# KiCad board carrier.kicad_pcb (continued)
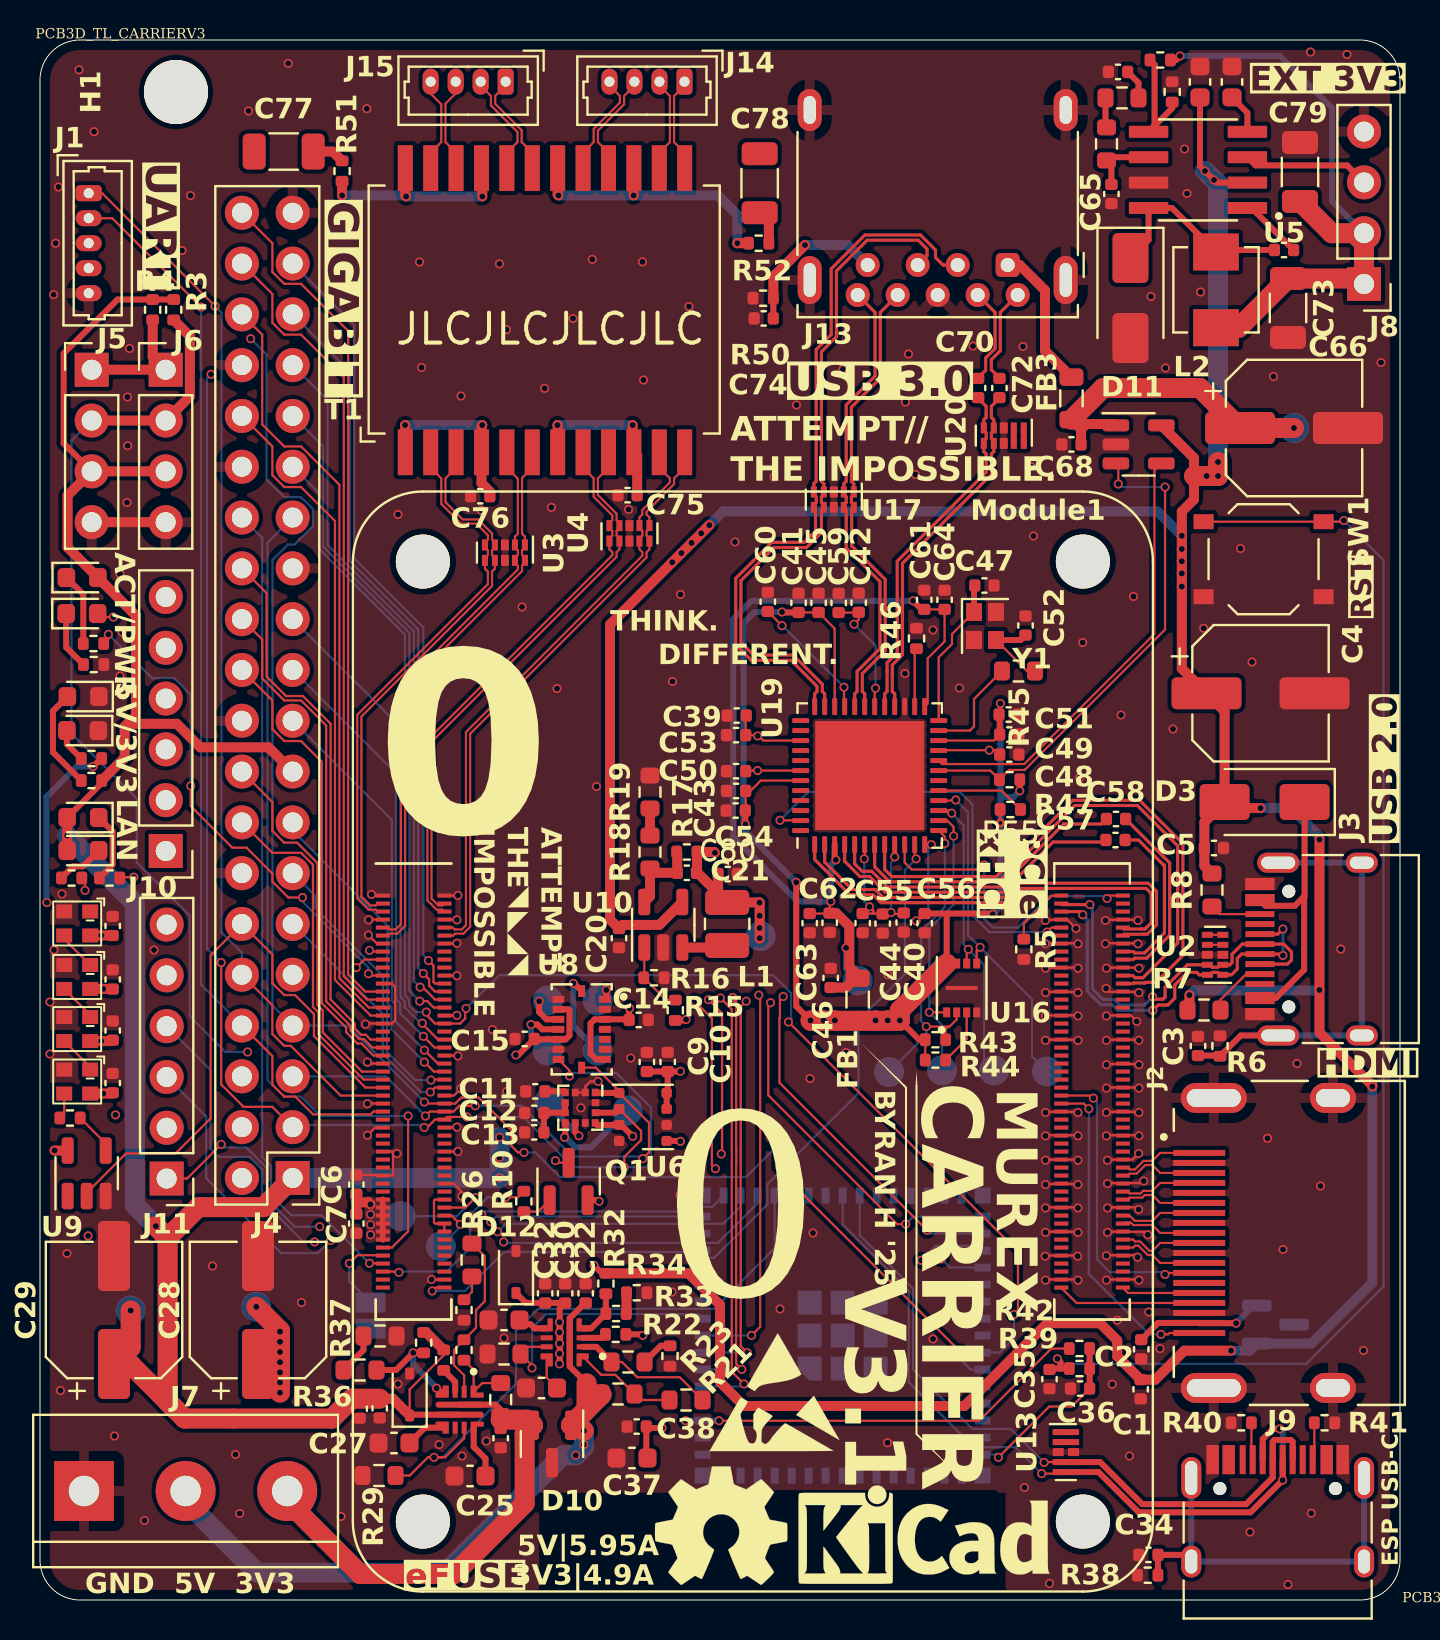
[diagram p0: board, top side]
## Footprints (pads in the part's own frame, mm; a bottom-side part is the same pattern mirrored in y, then rotated) (continued)
EDAC 690-019-298-412
  rect 0.3x2.6 smd: 1(4.5,0.73) 2(4,0.73) 3(3.5,0.73) 4(3,0.73) 5(2.5,0.73) 6(2,0.73) 7(1.5,0.73) 8(1,0.73) 9(0.5,0.73) 10(0,0.73) 11(-0.5,0.73) 12(-1,0.73) 13(-1.5,0.73) 14(-2,0.73) 15(-2.5,0.73) 16(-3,0.73) 17(-3.5,0.73) 18(-4,0.73) 19(-4.5,0.73)
  oval 1.5x3.3 hole 0.9x2.7: SH1(7.25,0) SH2(-7.25,0)
  oval 1.5x2.3 hole 0.9x1.7: SH3(-7.25,-5.96) SH4(7.25,-5.96)
ESP32-S3-MINI-1
  rect 0.8x0.4 smd: 1(-7,5.95) 2(-7,5.1) 3(-7,4.25) 4(-7,3.4) 5(-7,2.55) 6(-7,1.7) 7(-7,0.85) 8(-7,0) 9(-7,-0.85) 10(-7,-1.7) 11(-7,-2.55) 12(-7,-3.4) 13(-7,-4.25) 14(-7,-5.1) 15(-7,-5.95) 31(7,-5.95) 32(7,-5.1) 33(7,-4.25) 34(7,-3.4) 35(7,-2.55) 36(7,-1.7) 37(7,-0.85) 38(7,0) 39(7,0.85) 40(7,1.7) 41(7,2.55) 42(7,3.4) 43(7,4.25) 44(7,5.1) 45(7,5.95)
  rect 0.4x0.8 smd: 16(-5.95,-7) 17(-5.1,-7) 18(-4.25,-7) 19(-3.4,-7) 20(-2.55,-7) 21(-1.7,-7) 22(-0.85,-7) 23(0,-7) 24(0.85,-7) 25(1.7,-7) 26(2.55,-7) 27(3.4,-7) 28(4.25,-7) 29(5.1,-7) 30(5.95,-7) 46(5.95,7) 47(5.1,7) 48(4.25,7) 49(3.4,7) 50(2.55,7) 51(1.7,7) 52(0.85,7) 53(0,7) 54(-0.85,7) 55(-1.7,7) 56(-2.55,7) 57(-3.4,7) 58(-4.25,7) 59(-5.1,7) 60(-5.95,7)
  rect 1.2x1.2 smd: 61(0,0) 61_2(0,1.65) 61_3(1.65,1.65) 61_4(1.65,0) 61_5(1.65,-1.65) 61_6(0,-1.65) 61_7(-1.65,-1.65) 61_8(-1.65,0)
  custom 1.21x1.21 smd: 61_1(-1.65,1.65)
  rect 0.8x0.8 smd: 62(-7,7) 63(-7,-7) 64(7,-7) 65(7,7)
L_0805_2012Metric
  rrect 0.875x1.2 smd: 1(-1.062,0) 2(1.062,0)
L_1008_2520Metric
  rrect 1.25x2.2 smd: 1(-1.075,0) 2(1.075,0)
L_Vishay_IHLP-1616
  rect 1.855x2.286 smd: 1(-1.892,0) 2(1.892,0)
LED_0603_1608Metric
  rrect 0.875x0.95 smd: 1(-0.787,0) 2(0.787,0)
LGA-12_2x2mm_P0.5mm
  rect 0.375x0.35 smd: 1(-0.762,0.75) 2(-0.762,0.25) 3(-0.762,-0.25) 4(-0.762,-0.75) 7(0.762,-0.75) 8(0.762,-0.25) 9(0.762,0.25) 10(0.762,0.75)
  rect 0.35x0.375 smd: 5(-0.25,-0.762) 6(0.25,-0.762) 11(0.25,0.762) 12(-0.25,0.762)
Molex_PicoBlade_53047-0410_1x04_P1.25mm_Vertical
  rrect 0.8x1.3 hole 0.5: 1(0,0)
  oval 0.8x1.3 hole 0.5: 2(1.25,0) 3(2.5,0) 4(3.75,0)
Molex_PicoBlade_53047-0510_1x05_P1.25mm_Vertical
  rrect 0.8x1.3 hole 0.5: 1(0,0)
  oval 0.8x1.3 hole 0.5: 2(1.25,0) 3(2.5,0) 4(3.75,0) 5(5,0)
MountingHole_3.2mm_M3
  round 3.2 hole 3.2 unplated: (0,0)
PinHeader_1x04_P2.54mm_Vertical
  rect 1.7x1.7 hole 1: 1(0,0)
  oval 1.7x1.7 hole 1: 2(0,-2.54) 3(0,-5.08) 4(0,-7.62)
PinHeader_1x06_P2.54mm_Vertical
  rect 1.7x1.7 hole 1: 1(0,0)
  oval 1.7x1.7 hole 1: 2(0,-2.54) 3(0,-5.08) 4(0,-7.62) 5(0,-10.16) 6(0,-12.7)
PinHeader_2x20_P2.54mm_Vertical
  rect 1.7x1.7 hole 1: 1(0,0)
  oval 1.7x1.7 hole 1: 2(2.54,0) 3(0,-2.54) 4(2.54,-2.54) 5(0,-5.08) 6(2.54,-5.08) 7(0,-7.62) 8(2.54,-7.62) 9(0,-10.16) 10(2.54,-10.16) 11(0,-12.7) 12(2.54,-12.7) 13(0,-15.24) 14(2.54,-15.24) 15(0,-17.78) 16(2.54,-17.78) 17(0,-20.32) 18(2.54,-20.32) 19(0,-22.86) 20(2.54,-22.86) 21(0,-25.4) 22(2.54,-25.4) 23(0,-27.94) 24(2.54,-27.94) 25(0,-30.48) 26(2.54,-30.48) 27(0,-33.02) 28(2.54,-33.02) 29(0,-35.56) 30(2.54,-35.56) 31(0,-38.1) 32(2.54,-38.1) 33(0,-40.64) 34(2.54,-40.64) 35(0,-43.18) 36(2.54,-43.18) 37(0,-45.72) 38(2.54,-45.72) 39(0,-48.26) 40(2.54,-48.26)
PQFN50P450X300X100-16N
  rect 0.35x0.59 smd: 1(-1.5,1.165) 2(-1,1.165) 3(-0.5,1.165) 4(0,1.165) 5(0.5,1.165) 6(1,1.165) 7(1.5,1.165) 9(1.5,-1.165) 10(1,-1.165) 11(0.5,-1.165) 12(0,-1.165) 13(-0.5,-1.165) 14(-1,-1.165) 15(-1.5,-1.165)
  rect 0.59x0.35 smd: 8(1.915,0) 16(-1.915,0)
QFN-48-1EP_7x7mm_P0.5mm_EP5.45x5.45mm
  rrect 1.1x1.1 smd: (-2.04,2.04) (-2.04,0.68) (-2.04,-0.68) (-2.04,-2.04) (-0.68,2.04) (-0.68,0.68) (-0.68,-0.68) (-0.68,-2.04) (0.68,2.04) (0.68,0.68) (0.68,-0.68) (0.68,-2.04) (2.04,2.04) (2.04,0.68) (2.04,-0.68) (2.04,-2.04)
  rrect 0.85x0.25 smd: 1(-3.45,2.75) 2(-3.45,2.25) 3(-3.45,1.75) 4(-3.45,1.25) 5(-3.45,0.75) 6(-3.45,0.25) 7(-3.45,-0.25) 8(-3.45,-0.75) 9(-3.45,-1.25) 10(-3.45,-1.75) 11(-3.45,-2.25) 12(-3.45,-2.75) 25(3.45,-2.75) 26(3.45,-2.25) 27(3.45,-1.75) 28(3.45,-1.25) 29(3.45,-0.75) 30(3.45,-0.25) 31(3.45,0.25) 32(3.45,0.75) 33(3.45,1.25) 34(3.45,1.75) 35(3.45,2.25) 36(3.45,2.75)
  rrect 0.25x0.85 smd: 13(-2.75,-3.45) 14(-2.25,-3.45) 15(-1.75,-3.45) 16(-1.25,-3.45) 17(-0.75,-3.45) 18(-0.25,-3.45) 19(0.25,-3.45) 20(0.75,-3.45) 21(1.25,-3.45) 22(1.75,-3.45) 23(2.25,-3.45) 24(2.75,-3.45) 37(2.75,3.45) 38(2.25,3.45) 39(1.75,3.45) 40(1.25,3.45) 41(0.75,3.45) 42(0.25,3.45) 43(-0.25,3.45) 44(-0.75,3.45) 45(-1.25,3.45) 46(-1.75,3.45) 47(-2.25,3.45) 48(-2.75,3.45)
  rect 5.45x5.45 smd: 49(0,0)
QT24A23
  rect 2.29x0.75 smd: 1(-7.138,6.97) 2(-7.138,5.7) 3(-7.138,4.43) 4(-7.138,3.16) 5(-7.138,1.89) 6(-7.138,0.62) 7(-7.138,-0.65) 8(-7.138,-1.92) 9(-7.138,-3.19) 10(-7.138,-4.46) 11(-7.138,-5.73) 12(-7.138,-7) 13(7.072,-7) 14(7.072,-5.73) 15(7.072,-4.46) 16(7.072,-3.19) 17(7.072,-1.92) 18(7.072,-0.65) 19(7.072,0.62) 20(7.072,1.89) 21(7.072,3.16) 22(7.072,4.43) 23(7.072,5.7) 24(7.072,6.97)
R_0402_1005Metric
  rrect 0.54x0.64 smd: 1(-0.51,0) 2(0.51,0)
R_0603_1608Metric
  rrect 0.8x0.95 smd: 1(-0.825,0) 2(0.825,0)
Raspberry-Pi-4-Compute-Module
  round 2.7 hole 2.7 unplated: (0,48) (0,0) (33,48) (33,0)
  rect 0.7x0.2 smd: 1(-2,31.3) 2(1.08,31.3) 3(-2,30.9) 4(1.08,30.9) 5(-2,30.5) 6(1.08,30.5) 7(-2,30.1) 8(1.08,30.1) 9(-2,29.7) 10(1.08,29.7) 11(-2,29.3) 12(1.08,29.3) 13(-2,28.9) 14(1.08,28.9) 15(-2,28.5) 16(1.08,28.5) 17(-2,28.1) 18(1.08,28.1) 19(-2,27.7) 20(1.08,27.7) 21(-2,27.3) 22(1.08,27.3) 23(-2,26.9) 24(1.08,26.9) 25(-2,26.5) 26(1.08,26.5) 27(-2,26.1) 28(1.08,26.1) 29(-2,25.7) 30(1.08,25.7) 31(-2,25.3) 32(1.08,25.3) 33(-2,24.9) 34(1.08,24.9) 35(-2,24.5) 36(1.08,24.5) 37(-2,24.1) 38(1.08,24.1) 39(-2,23.7) 40(1.08,23.7) 41(-2,23.3) 42(1.08,23.3) 43(-2,22.9) 44(1.08,22.9) 45(-2,22.5) 46(1.08,22.5) 47(-2,22.1) 48(1.08,22.1) 49(-2,21.7) 50(1.08,21.7) 51(-2,21.3) 52(1.08,21.3) 53(-2,20.9) 54(1.08,20.9) 55(-2,20.5) 56(1.08,20.5) 57(-2,20.1) 58(1.08,20.1) 59(-2,19.7) 60(1.08,19.7) 61(-2,19.3) 62(1.08,19.3) 63(-2,18.9) 64(1.08,18.9) 65(-2,18.5) 66(1.08,18.5) 67(-2,18.1) 68(1.08,18.1) 69(-2,17.7) 70(1.08,17.7) 71(-2,17.3) 72(1.08,17.3) 73(-2,16.9) 74(1.08,16.9) 75(-2,16.5) 76(1.08,16.5) 77(-2,16.1) 78(1.08,16.1) 79(-2,15.7) 80(1.08,15.7) 81(-2,15.3) 82(1.08,15.3) 83(-2,14.9) 84(1.08,14.9) 85(-2,14.5) 86(1.08,14.5) 87(-2,14.1) 88(1.08,14.1) 89(-2,13.7) 90(1.08,13.7) 91(-2,13.3) 92(1.08,13.3) 93(-2,12.9) 94(1.08,12.9) 95(-2,12.5) 96(1.08,12.5) 97(-2,12.1) 98(1.08,12.1) 99(-2,11.7) 100(1.08,11.7) 101(31.92,31.3) 102(35,31.3) 103(31.92,30.9) 104(35,30.9) 105(31.92,30.5) 106(35,30.5) 107(31.92,30.1) 108(35,30.1) 109(31.92,29.7) 110(35,29.7) 111(31.92,29.3) 112(35,29.3) 113(31.92,28.9) 114(35,28.9) 115(31.92,28.5) 116(35,28.5) 117(31.92,28.1) 118(35,28.1) 119(31.92,27.7) 120(35,27.7) 121(31.92,27.3) 122(35,27.3) 123(31.92,26.9) 124(35,26.9) 125(31.92,26.5) 126(35,26.5) 127(31.92,26.1) 128(35,26.1) 129(31.92,25.7) 130(35,25.7) 131(31.92,25.3) 132(35,25.3) 133(31.92,24.9) 134(35,24.9) 135(31.92,24.5) 136(35,24.5) 137(31.92,24.1) 138(35,24.1) 139(31.92,23.7) 140(35,23.7) 141(31.92,23.3) 142(35,23.3) 143(31.92,22.9) 144(35,22.9) 145(31.92,22.5) 146(35,22.5) 147(31.92,22.1) 148(35,22.1) 149(31.92,21.7) 150(35,21.7) 151(31.92,21.3) 152(35,21.3) 153(31.92,20.9) 154(35,20.9) 155(31.92,20.5) 156(35,20.5) 157(31.92,20.1) 158(35,20.1) 159(31.92,19.7) 160(35,19.7) 161(31.92,19.3) 162(35,19.3) 163(31.92,18.9) 164(35,18.9) 165(31.92,18.5) 166(35,18.5) 167(31.92,18.1) 168(35,18.1) 169(31.92,17.7) 170(35,17.7) 171(31.92,17.3) 172(35,17.3) 173(31.92,16.9) 174(35,16.9) 175(31.92,16.5) 176(35,16.5) 177(31.92,16.1) 178(35,16.1) 179(31.92,15.7) 180(35,15.7) 181(31.92,15.3) 182(35,15.3) 183(31.92,14.9) 184(35,14.9) 185(31.92,14.5) 186(35,14.5) 187(31.92,14.1) 188(35,14.1) 189(31.92,13.7) 190(35,13.7) 191(31.92,13.3) 192(35,13.3) 193(31.92,12.9) 194(35,12.9) 195(31.92,12.5) 196(35,12.5) 197(31.92,12.1) 198(35,12.1) 199(31.92,11.7) 200(35,11.7)
SK6812-EC20
  rect 0.8x0.7 smd: 1(0.65,-0.6) 2(0.65,0.6) 3(-0.65,0.6) 4(-0.65,-0.6)
SOIC127P599X175-8N
  rrect 1.97x0.6 smd: 1(-2.47,1.905) 2(-2.47,0.635) 3(-2.47,-0.635) 4(-2.47,-1.905) 5(2.47,-1.905) 6(2.47,-0.635) 7(2.47,0.635) 8(2.47,1.905)
SolderJumper-2_P1.3mm_Open_Pad1.0x1.5mm
  rect 1x1.5 smd: 1(-0.65,0) 2(0.65,0)
SOT-23
  rrect 1.475x0.6 smd: 1(-0.938,0.95) 2(-0.938,-0.95) 3(0.938,0)
SOT-23-5
  rrect 1.325x0.6 smd: 1(-1.137,0.95) 2(-1.137,0) 3(-1.137,-0.95) 4(1.137,-0.95) 5(1.137,0.95)
SW_Push_1P1T_XKB_TS-1187A
  rect 1x0.75 smd: 1(-3,1.875) 1(3,1.875) 2(-3,-1.875) 2(3,-1.875)
TerminalBlock_bornier-3_P5.08mm
  rect 3x3 hole 1.52: 1(0,0)
  round 3 hole 1.52: 2(5.08,0) 3(10.16,0)
TestPoint_Pad_D1.5mm
  round 1.5 smd: 1(0,0)
TPS259474
  custom 0.61x0.66 smd: 1(-0.9,0.7) 4(-0.9,-0.7) 7(0.9,-0.7) 10(0.9,0.7)
  rrect 0.6x0.25 smd: 2(-0.9,0.225) 3(-0.9,-0.225) 8(0.9,-0.225) 9(0.9,0.225)
  rrect 0.3x2.4 smd: 5(-0.25,0) 6(0.25,0)
TSOT-23-5
  rrect 1.325x0.6 smd: 1(-1.137,0.95) 2(-1.137,0) 3(-1.137,-0.95) 4(1.137,-0.95) 5(1.137,0.95)
USB3_A_Molex_48393-001
  rrect 1.2x1.2 hole 0.7: 1(0,0)
  round 1.2 hole 0.7: 2(2.5,0) 3(4.5,0) 4(7,0) 5(7.5,1.5) 6(5.5,1.5) 7(3.5,1.5) 8(1.5,1.5) 9(-0.5,1.5)
  oval 1.2x2.4 hole 0.6x1.7: 10(-2.9,0.75) 10(9.9,0.75)
  oval 1.2x2.1 hole 0.6x1.4: 10(-2.9,-7.75) 10(9.9,-7.75)
USB_C_Receptacle_HRO_TYPE-C-31-M-12
  round 0.65 hole 0.65 unplated: (-2.89,2.6) (2.89,2.6)
  rect 0.6x1.45 smd: A1(-3.25,4.045) A4(-2.45,4.045) A9(2.45,4.045) A12(3.25,4.045) B1(3.25,4.045) B4(2.45,4.045) B9(-2.45,4.045) B12(-3.25,4.045)
  rect 0.3x1.45 smd: A5(-1.25,4.045) A6(-0.25,4.045) A7(0.25,4.045) A8(1.25,4.045) B5(1.75,4.045) B6(0.75,4.045) B7(-0.75,4.045) B8(-1.75,4.045)
  oval 1x2.1 hole 0.6x1.7: S1(-4.32,3.13) S1(4.32,3.13)
  oval 1x1.6 hole 0.6x1.2: S1(-4.32,-1.05) S1(4.32,-1.05)
USON-10_2.5x1.0mm_P0.5mm
  rect 0.55x0.3 smd: 1(-0.385,1) 2(-0.385,0.5) 4(-0.385,-0.5) 5(-0.385,-1) 6(0.385,-1) 7(0.385,-0.5) 9(0.385,0.5) 10(0.385,1)
  rect 0.55x0.4 smd: 3(-0.385,0) 8(0.385,0)
W25X40CLUXIG
  rect 0.49x0.35 smd: 1(-1.22,0.75) 2(-1.22,0.25) 3(-1.22,-0.25) 4(-1.22,-0.75) 5(1.22,-0.75) 6(1.22,-0.25) 7(1.22,0.25) 8(1.22,0.75)
  rect 0.2x1.6 smd: 9(0,0)

## Nets
+3.3v: C9.1 C10.1 C14.1 C15.1 C29.1 C31.1 C33.1 C37.1 C38.1 C41.1 C43.1 C45.1 C49.1 C51.1 C54.1 C56.1 D4.2 D13.1 D14.2 D15.2 FB1.1 J4.1 J4.17 J5.3 J6.3 Q1.2 R2.1 R3.1 R4.2 R15.1 R30.1 R31.1 R35.1 R42.1 R43.2 R44.1 R47.2 R55.2 TP8.1 U6.2 U6.5 U6.6 U6.8 U7.10 U8.3 U8.7 U8.11 U8.14 U12.6 U14.3 U16.7 U16.8 U19.12 U19.22 U19.34 U19.43
/+1.05v: C21.1 C39.1 C40.1 C42.1 C44.1 C48.1 C50.1 C53.1 C55.1 C59.1 C60.1 C80.1 L1.2 R17.1 TP9.1 U19.6 U19.9 U19.21 U19.30 U19.33 U19.39 U19.42
/+5v: C1.1 C4.1 C5.1 C6.1 C7.1 C8.1 C16.2 C17.2 C18.2 C19.2 C20.1 C28.1 C30.1 C32.1 D3.2 D6.1 D7.1 D8.1 D9.1 D12.1 J4.2 J4.4 Module1.77 Module1.79 Module1.81 Module1.83 Module1.85 Module1.87 R1.1 R7.2 R8.2 R32.1 TP7.1 U1.1 U5.2 U9.5 U10.4 U11.6 U18.5
/CM4_GPIO/+3.3v_REF: Module1.78 Module1.84 Module1.86
/CM4_HighSpeed/USB3/VBUS1: C66.1 C68.1 FB3.1 TP10.1 U18.1
/Power/+3.3v_EXT: C73.1 C79.1 J8.1 J8.2 L2.1 R53.1
/Power/+3.3v_RAW: C23.1 D10.2 J7.3 R24.1 U12.5
/Power/+5v_RAW: C22.1 D10.1 J7.2 R20.1 U11.5
/USB2/VBUS: D3.1 J3.A4 J3.A9 J3.B4 J3.B9
GND: C1.2 C2.2 C3.2 C4.2 C5.2 C6.2 C7.2 C8.2 C9.2 C10.2 C11.2 C12.1 C13.1 C14.2 C15.2 C16.1 C17.1 C18.1 C19.1 C20.2 C22.2 C23.2 C24.2 C25.2 C26.2 C27.2 C28.2 C29.2 C30.2 C31.2 C32.2 C33.2 C34.2 C35.1 C36.2 C37.2 C38.2 C39.2 C40.2 C41.2 C42.2 C43.2 C44.2 C45.2 C46.2 C47.2 C48.2 C49.2 C50.2 C51.2 C52.2 C53.2 C54.2 C55.2 C56.2 C59.2 C60.2 C61.2 C62.2 C63.2 C64.2 C65.2 C66.2 C67.2 C68.2 C69.2 C73.2 C74.2 C75.2 C76.2 C79.2 C80.2 D1.1 D2.1 D6.3 D7.3 D8.3 D9.3 D10.3 D11.2 D12.2 D13.2 J1.5 J2.2 J2.5 J2.8 J2.11 J2.17 J2.SH1 J2.SH2 J2.SH3 J2.SH4 J3.A1 J3.A12 J3.B1 J3.B12 J4.6 J4.9 J4.14 J4.20 J4.25 J4.30 J4.34 J4.39 J5.4 J6.4 J7.1 J8.4 J9.A1 J9.A12 J9.B1 J9.B12 J13.7 J13.10 JP1.2 Module1.1 Module1.2 Module1.7 Module1.8 Module1.13 Module1.14 Module1.22 Module1.23 Module1.32 Module1.33 Module1.42 Module1.43 Module1.52 Module1.53 Module1.59 Module1.60 Module1.65 Module1.66 Module1.71 Module1.74 Module1.98 Module1.107 Module1.108 Module1.113 Module1.114 Module1.119 Module1.120 Module1.125 Module1.126 Module1.131 Module1.132 Module1.137 Module1.138 Module1.144 Module1.150 Module1.155 Module1.156 Module1.161 Module1.162 Module1.167 Module1.168 Module1.173 Module1.174 Module1.179 Module1.180 Module1.185 Module1.186 Module1.191 Module1.192 Module1.197 Module1.198 R5.2 R6.2 R11.2 R16.2 R19.2 R23.2 R27.2 R28.2 R29.2 R34.2 R37.2 R38.2 R40.2 R41.2 R46.2 R50.2 R54.2 SW1.1 U1.3 U2.3 U2.8 U3.3 U3.8 U4.3 U4.8 U5.7 U6.1 U6.7 U7.2 U7.3 U7.9 U7.12 U8.2 U8.4 U8.6 U8.10 U8.15 U9.3 U10.2 U11.8 U12.8 U13.3 U13.8 U14.1 U14.2 U14.42 U14.43 U14.46 U14.47 U14.48 U14.49 U14.50 U14.51 U14.52 U14.53 U14.54 U14.55 U14.56 U14.57 U14.58 U14.59 U14.60 U14.61 U14.61_1 U14.61_2 U14.61_3 U14.61_4 U14.61_5 U14.61_6 U14.61_7 U14.61_8 U14.62 U14.63 U14.64 U14.65 U16.4 U16.9 U17.3 U17.8 U18.2 U19.27 U19.49 U20.3 U20.8 Y1.2 Y1.4
/CM4_GPIO/BT_nDis: JP1.1 Module1.91
/CM4_GPIO/CT1: C75.1 T1.7 T1.10
/CM4_GPIO/CT2: C76.1 T1.1 T1.4
/CM4_GPIO/ETH_LEDG: Module1.17 R12.2
/CM4_GPIO/ETH_LEDY: Module1.15 R13.2
/CM4_GPIO/GPIO6: J4.31 Module1.30
/CM4_GPIO/GPIO7: J4.26 Module1.37
/CM4_GPIO/GPIO8: J4.24 Module1.39
/CM4_GPIO/GPIO9: J4.21 Module1.40
/CM4_GPIO/GPIO10: J4.19 Module1.44
/CM4_GPIO/GPIO11: J4.23 Module1.38
/CM4_GPIO/GPIO12: J4.32 Module1.31
/CM4_GPIO/GPIO13: J4.33 Module1.28
/CM4_GPIO/GPIO16: J4.36 Module1.29
/CM4_GPIO/GPIO17: J4.11 Module1.50
/CM4_GPIO/GPIO18: J4.12 Module1.49 U9.2
/CM4_GPIO/GPIO19: J4.35 Module1.26
/CM4_GPIO/GPIO20: J4.38 Module1.27
/CM4_GPIO/GPIO21: J4.40 Module1.25
/CM4_GPIO/GPIO22: J4.15 Module1.46
/CM4_GPIO/GPIO23: J4.16 Module1.47
/CM4_GPIO/GPIO24: J4.18 Module1.45
/CM4_GPIO/GPIO25: J4.22 Module1.41
/CM4_GPIO/GPIO26: J4.37 Module1.24
/CM4_GPIO/GPIO27: J4.13 Module1.48
/CM4_GPIO/nEXTRST: Module1.100 U19.11
/CM4_GPIO/nPWR_LED: Module1.95 R10.1
/CM4_GPIO/nRPIBOOT: J4.28 Module1.93
/CM4_GPIO/REF1: C78.1 R52.2
/CM4_GPIO/REF2: C77.1 R51.2
/CM4_GPIO/TRD0+: J14.1 T1.13
/CM4_GPIO/TRD0-: J14.2 T1.14
/CM4_GPIO/TRD0_N: Module1.10 T1.11 U4.4 U4.7
/CM4_GPIO/TRD0_P: Module1.12 T1.12 U4.5 U4.6
/CM4_GPIO/TRD1+: J14.3 T1.16
/CM4_GPIO/TRD1-: J14.4 T1.17
/CM4_GPIO/TRD1_N: Module1.6 T1.8 U4.1 U4.10
/CM4_GPIO/TRD1_P: Module1.4 T1.9 U4.2 U4.9
/CM4_GPIO/TRD2+: J15.1 T1.19
/CM4_GPIO/TRD2-: J15.2 T1.20
/CM4_GPIO/TRD2_N: Module1.9 T1.5 U3.2 U3.9
/CM4_GPIO/TRD2_P: Module1.11 T1.6 U3.1 U3.10
/CM4_GPIO/TRD3+: J15.3 T1.22
/CM4_GPIO/TRD3-: J15.4 T1.23
/CM4_GPIO/TRD3_N: Module1.5 T1.2 U3.5 U3.6
/CM4_GPIO/TRD3_P: Module1.3 T1.3 U3.4 U3.7
/CM4_GPIO/WL_nDis: J4.27 Module1.89
/CM4_HighSpeed/HDMI0_CEC: J2.13 Module1.151
/CM4_HighSpeed/HDMI0_CK_N: J2.12 Module1.190
/CM4_HighSpeed/HDMI0_CK_P: J2.10 Module1.188
/CM4_HighSpeed/HDMI0_D0_N: J2.9 Module1.184
/CM4_HighSpeed/HDMI0_D0_P: J2.7 Module1.182
/CM4_HighSpeed/HDMI0_D1_N: J2.6 Module1.178
/CM4_HighSpeed/HDMI0_D1_P: J2.4 Module1.176
/CM4_HighSpeed/HDMI0_D2_N: J2.3 Module1.172
/CM4_HighSpeed/HDMI0_D2_P: J2.1 Module1.170
/CM4_HighSpeed/HDMI0_HOTPLUG: J2.19 Module1.153
/CM4_HighSpeed/HDMI0_SCL: J2.15 Module1.200
/CM4_HighSpeed/HDMI0_SDA: J2.16 Module1.199
/CM4_HighSpeed/HDMI_5v: C2.1 J2.18 U1.2
/CM4_HighSpeed/PCIE_CLK_N: Module1.112 U19.2
/CM4_HighSpeed/PCIE_CLK_nREQ: Module1.102 U19.10
/CM4_HighSpeed/PCIE_CLK_P: Module1.110 U19.1
/CM4_HighSpeed/PCIE_nRST: Module1.109 U19.47
/CM4_HighSpeed/PCIE_RX_N: C58.1 Module1.118
/CM4_HighSpeed/PCIE_RX_P: C57.1 Module1.116
/CM4_HighSpeed/PCIE_TX_N: Module1.124 U19.8
/CM4_HighSpeed/PCIE_TX_P: Module1.122 U19.7
/CM4_HighSpeed/USB2_N: J3.A7 J3.B7 Module1.103 U2.2 U2.9
/CM4_HighSpeed/USB2_P: J3.A6 J3.B6 Module1.105 U2.1 U2.10
/CM4_HighSpeed/USB3/A+3.3v: C46.1 C61.1 C62.1 C63.1 C64.1 FB1.2 TP11.1 U19.3 U19.25
/CM4_HighSpeed/USB3/OCI1B: R47.1 U18.3 U19.19
/CM4_HighSpeed/USB3/PETX+: C57.2 U19.4
/CM4_HighSpeed/USB3/PETX-: C58.2 U19.5
/CM4_HighSpeed/USB3/PPON1: U18.4 U19.20
/CM4_HighSpeed/USB3/SPICSB: TP15.1 U16.1 U19.14
/CM4_HighSpeed/USB3/SPISCK: TP14.1 U16.6 U19.15
/CM4_HighSpeed/USB3/SPISI: TP16.1 U16.5 U19.16
/CM4_HighSpeed/USB3/SPISO: R43.1 TP17.1 U16.2 U19.13
/CM4_HighSpeed/USB3/SSTX+: C72.2 J13.9
/CM4_HighSpeed/USB3/SSTX-: C70.2 J13.8
/CM4_HighSpeed/USB3/U2D+: J13.3 U17.4 U17.7 U19.35
/CM4_HighSpeed/USB3/U2D-: J13.2 U17.5 U17.6 U19.36
/CM4_HighSpeed/USB3/U3RXD+: J13.6 U17.1 U17.10 U19.31
/CM4_HighSpeed/USB3/U3RXD-: J13.5 U17.2 U17.9 U19.32
/CM4_HighSpeed/USB3/U3TXD+: C72.1 U19.28 U20.4 U20.7
/CM4_HighSpeed/USB3/U3TXD-: C70.1 U19.29 U20.5 U20.6
/CM4_HighSpeed/USBOTG_ID: Module1.101 R5.1
/ESP32-S3/ADC1_CH0: J10.1 U14.5
/ESP32-S3/ADC1_CH1: J10.2 U14.6
/ESP32-S3/ADC1_CH2: J10.3 U14.7
/ESP32-S3/ADC1_CH3: J10.4 U14.8
/ESP32-S3/ADC1_CH4: R28.1 U11.9 U14.9
/ESP32-S3/ADC2_CH0: J11.1 U14.15
/ESP32-S3/ADC2_CH1: J11.2 U14.16
/ESP32-S3/ADC2_CH2: J11.3 U14.17
/ESP32-S3/ADC2_CH3: J11.4 U14.18
/ESP32-S3/ADC2_CH4: R29.1 U12.9 U14.19
/ESP32-S3/EN: C36.1 R39.2 R42.2 U14.45
/ESP32-S3/IO35: J10.5 U14.31
/ESP32-S3/IO36: J10.6 U14.32
/ESP32-S3/IO37: J11.5 U14.33
/ESP32-S3/IO38: J11.6 U14.34
/ESP32-S3/USB_N: J9.A7 J9.B7 U13.5 U13.6 U14.23
/ESP32-S3/USB_P: J9.A6 J9.B6 U13.4 U13.7 U14.24
/Power/EN: J8.3 U5.3
/RPI_RX0: J1.1 J4.10 Module1.51
/RPI_RX1: J1.3 J4.29 Module1.34 U14.39
/RPI_TX0: J1.2 J4.8 Module1.55
/RPI_TX1: J1.4 J4.7 Module1.54 U14.40
/SCL: J4.5 J5.2 J6.2 Module1.56 R3.2 U6.4 U7.1 U8.8
/SDA: J4.3 J5.1 J6.1 Module1.58 R4.1 U6.3 U7.11 U8.9
Net-(C35-Pad2): C35.2 R39.1 SW1.2
Net-(C52-Pad1): C52.1 R45.1 Y1.3
Net-(C67-Pad1): C67.1 R49.2
Net-(D1-A): D1.2 R1.2
Net-(D2-A): D2.2 R2.2
Net-(D4-K): D4.1 R9.1
Net-(D5-A): D5.2 Q1.3
Net-(D5-K): D5.1 R11.1
Net-(D6-DIN): D6.4 R14.2
Net-(D6-DOUT): D6.2 D7.4
Net-(D7-DOUT): D7.2 D8.4
Net-(D8-DOUT): D8.2 D9.4
Net-(D11-K): C71.2 D11.1 L2.2 U5.8
Net-(D14-K): D14.1 R12.1
Net-(D15-K): D15.1 R13.1
Net-(J3-CC1): J3.A5 R7.1
Net-(J3-CC2): J3.B5 R8.1
Net-(J3-SHIELD): C3.1 J3.S1 R6.1
Net-(J9-CC1): J9.A5 R40.1
Net-(J9-CC2): J9.B5 R41.1
Net-(J9-SHIELD): C34.1 J9.S1 R38.1
Net-(J13-GND): C74.1 J13.4 R50.1
Net-(J13-VBUS): FB3.2 J13.1
Net-(Module1A-PI_nLED_Activity): Module1.21 R9.2
Net-(Module1A-SCL0): Module1.80 TP12.1
Net-(Module1A-SDA0): Module1.82 TP13.1
Net-(Q1-B): Q1.1 R10.2
Net-(R18-Pad2): R18.2 R19.1
Net-(R22-Pad2): R22.2 R23.1
Net-(R26-Pad2): R26.2 R27.1
Net-(R33-Pad2): R33.2 R34.1
Net-(R36-Pad2): R36.2 R37.1
Net-(R48-Pad2): R48.2 R49.1
Net-(R51-Pad1): R51.1 T1.21 T1.24
Net-(R52-Pad1): R52.1 T1.15 T1.18
Net-(U5-BOOT): C71.1 U5.1
Net-(U5-COMP): C65.1 R48.1 U5.6
Net-(U5-SS): C69.1 U5.4
Net-(U5-VSENSE): R53.2 R54.1 U5.5
Net-(U7-C1): C11.1 U7.4
Net-(U7-DRDY): TP1.1 U7.8
Net-(U7-INT): TP2.1 U7.7
Net-(U7-Vdd): C12.2 C13.2 U7.5 U7.6
Net-(U8-INT1): TP3.1 U8.16
Net-(U8-INT2): TP4.1 U8.1
Net-(U8-INT3): TP5.1 U8.12
Net-(U8-INT4): TP6.1 U8.13
Net-(U9-Y): R14.1 U9.4
Net-(U10-EN): R15.2 R16.1 U10.1
Net-(U10-FB): C21.2 R17.2 R18.1 U10.5
Net-(U10-LX): L1.1 U10.3
Net-(U11-dVdt): C26.1 U11.7
Net-(U11-EN/UVLO): R20.2 R21.1 U11.1
Net-(U11-ITIMER): C24.1 U11.10
Net-(U11-OVLO): R21.2 R22.1 U11.2
Net-(U11-PG): R30.2 U11.3
Net-(U11-PGTH): R32.2 R33.1 U11.4
Net-(U12-dVdt): C27.1 U12.7
Net-(U12-EN/UVLO): R24.2 R25.1 U12.1
Net-(U12-ITIMER): C25.1 U12.10
Net-(U12-OVLO): R25.2 R26.1 U12.2
Net-(U12-PG): R31.2 U12.3
Net-(U12-PGTH): R35.2 R36.1 U12.4
Net-(U16-~{WP}): R44.2 U16.3
Net-(U19-OCI2B): R55.1 U19.17
Net-(U19-RREF): R46.1 U19.26
Net-(U19-XT1): C47.1 U19.24 Y1.1
Net-(U19-XT2): R45.2 U19.23

Pads without a net: C77 2; C78 2; D9 2; J2 14; J3 A8 B8; J9 A4 A8 A9 B4 B8 B9; Module1 16 18 19 20 35 36 57 61 62 63 64 67 68 69 70 72 73 75 76 88 90 92 94 96 97 99 104 106 111 115 117 121 123 127 128 129 130 133 134 135 136 139 140 141 142 143 145 146 147 148 149 152 154 157 158 159 160 163 164 165 166 169 171 175 177 181 183 187 189 193 194 195 196; U2 4 5 6 7; U8 5; U9 1; U13 1 2 9 10; U14 4 10 11 12 13 14 20 21 22 25 26 27 28 29 30 35 36 37 38 41 44; U19 18 37 38 40 41 44 45 46 48; U20 1 2 9 10

## Via types
v1: diameter 0.45, hole 0.3, Top to Bottom, 432 vias
v2: diameter 0.45, hole 0.2, Top to Bottom, 1 via

## Routing (per net, layer and track width the routed paths; a pad name or vN(x,y) marks a point on that pad's centre or on a via; arc(x,y) is an arc through that point)
+3.3v: length 244.8
  Top w0.11: U19.34 39.73,48.57 C45.1 C41.1 ; v1(48.02,44.83) 48.02,44.34 C51.1 ; U19.43 36.04,40.97 35.52,40.45 C43.1 35.28,39.49 C54.1 ; U19.22 47.68,42.97 C49.1 ; C56.1 43.87,33.96 v1(43.81,33.96) ; R55.2 48.01,38.87 v2(48.02,38.85) ; D13.1 18.48,10.53 20.18,12.23 R31.1 ; U19.12 44.56,37.77 v1(44.57,37.77) ; v1(33.95,8.96) 46.96,8.96 50.56,12.57 R42.1 ; R44.1 R43.2
  Top w0.3: 18.23,9.47 18.44,9.27 U12.6 ; U6.8 32,22.95 v1(32.02,22.93) ; v1(27.96,19.94) 27.9,19.99 Q1.2 ; v1(37.1,49.4) 37.12,49.38 C41.1 ; 45.38,34.32 45.33,34.28 U16.8 U16.7 ; 45.38,34.32 C56.1 ; 45.38,34.32 47.61,34.32 v1(47.64,34.29) ; v1(48.99,40.46) 48.99,41.02 R47.2 ; C9.1 C10.1 ; C10.1 31.38,25.4 U6.5 U6.6 ; C10.1 32,26.42 v1(32.02,26.44) ; v1(29.48,29.59) 29.45,29.56 C14.1 29.42,29.03 U8.3 27.73,29.03 27.52,28.82 27.52,27.32 27.82,27.03 U8.7 ; R15.1 32.26,28.98 v1(32.31,29.02) ; C37.1 30.31,7.16 C38.1 30.39,8.6 v1(31.1,8.6) ; C51.1 47.98,44.24 C49.1 ; v1(35.27,38.78) 35.26,38.79 C54.1 ; v1(29.63,23.19) 29.07,23.75 U6.2 27.86,23.75 U7.10 ; R3.1 R4.2 3.87,65.02 1.18,62.33 1.18,57.83 J5.3 ; D15.2 3.08,40.85 R2.1 ; v1(42.99,28.98) 43.96,28.01 R43.2 ; v1(38.52,28.98) 37.81,29.69 v1(37.81,35.89) ; U8.14 26.41,29.53 26.47,29.47 26.47,28.22 26.28,28.03 U8.11 24.73,28.03 C15.1 23.91,27.25 v1(23.79,27.25) ; v1(30.14,13.23) 30.09,13.28 R30.1
  Top w0.5: D15.2 v1(1.36,38.22) D14.2 ; 4.23,43.66 4.8,44.23 4.8,49.22 D4.2 1.37,52.64 1.37,55.22 J5.3 J6.3 ; 4.23,43.66 4.38,43.81 6.84,43.81 8.02,42.63 11.42,42.63 J4.17 ; 4.23,43.66 4.23,42.12 R2.1 ; R35.1 19.31,13.38 R31.1 ; C31.1 16.97,10.05 C33.1 17.64,10.06 D13.1
  Top w1: C33.1 15.59,10.06 14.59,9.07 7.23,9.07 6.75,9.55 ; v1(5.79,18.69) 6.38,18.1 ; 6.38,18.1 7.92,19.64 11.17,19.64 J4.1 ; 6.38,18.1 6.38,9.92 6.75,9.55 ; v1(38.52,28.98) 38.54,28.96 39.16,28.96 v1(39.18,28.98) 39.2,28.96 39.72,28.96 v1(39.74,28.98) 39.76,28.96 FB1.1 41.6,28.96 ; 6.75,9.55 4.51,11.8 C29.1 4.53,12.63 v1(4.53,14.47) ; U16.8 42.99,29.48 v1(42.99,28.98) 42.97,28.96 42.4,28.96 v1(42.38,28.98) 42.36,28.96 41.79,28.96 v1(41.77,28.98) 41.76,28.96
  Bottom w0.11: v1(43.81,33.96) 44.42,34.57 44.42,37.61 v1(44.57,37.77)
  Bottom w0.3: 48.02,40.15 48.68,40.15 v1(48.99,40.46) ; 48.02,40.15 v1(48.02,44.83) ; 48.02,40.15 v2(48.02,38.85) 48.02,34.67 v1(47.64,34.29) ; v1(37.1,49.4) 35.73,49.4 35.18,48.85 35.18,38.88 v1(35.27,38.78) 35.27,38.43 v1(37.81,35.89) ; v1(33.95,8.96) 33.94,8.97 U14.3 32.28,8.97 v1(32.27,8.96)
  Bottom w1: v1(22.98,23.14) v1(22.98,22.12) v1(22.98,21.1) 22.98,21.1 J4.1 ; v1(5.79,18.69) 4.74,19.75 4.74,34.84 v1(1.36,38.22)
/+1.05v: length 40.8
  Top w0.11: C44.1 42.11,34.32 41.67,34.32 ; C44.1 42.59,34.3 ; C44.1 42.13,34.31 ; 42.59,34.3 43.13,34.3 C40.1 ; 42.59,34.3 42.59,34.34 v1(42.55,34.38) ; U19.9 42.74,37.77 42.74,37.06 ; v1(41.21,37.06) 41.23,37.07 U19.6 ; 41.67,34.32 41.67,34.46 v1(41.48,34.66) ; 41.67,34.32 C55.1 ; U19.30 41.73,45.55 v1(41.77,45.59) ; C60.1 v1(37.1,48.72) ; C39.1 35.28,44.19 C53.1 35.84,43.24 v1(35.88,43.2) 35.93,43.2 36.16,42.97 U19.39 ; v1(40.2,45.64) 40.2,44.71 U19.33 ; C59.1 40.92,49.37 C42.1 40.93,49.02 v1(40.71,48.79) ; U19.42 v1(35.88,41.47) 35.31,41.47 C50.1 ; U19.21 44.95,42.49 v1(47.46,42.49) 47.77,42.49 C48.1
  Top w0.5: v1(33.75,37.36) 33.71,37.4 R17.1 32.85,36.39 C21.1 32.88,36.36 L1.2 ; L1.2 33.91,35.33 C80.1 ; L1.2 35.97,34.88 v1(35.98,34.87) v1(35.98,34.21) v1(35.98,33.6) 35.98,33.07
  Bottom w0.11: 42.74,37.06 42.55,36.87 v1(42.55,34.38) ; v1(41.21,37.06) 41.21,34.92 v1(41.48,34.66) ; v1(40.2,45.64) 37.12,48.72 v1(37.1,48.72) ; v1(41.77,45.59) 41.77,47.72 v1(40.71,48.79)
  vias: v1(35.98,33.09) v1(42.74,37.16)
/+5v: length 219
  Top w0.3: D12.1 24.3,14.85 C32.1 C30.1 25.98,14.58 25.98,13.9 v1(25.97,13.89) 25.98,13.88 25.98,13.39 v1(25.97,13.38) 25.98,13.37 v1(25.97,12.82) U11.6 ; R1.1 3.05,42.07 v1(2.66,41.68) ; R32.1 28.11,16.33 v1(27.7,16.74) ; U5.2 58.83,70.87 v1(58.7,71) v1(58.25,71.45) 58,71.7 C8.1 ; 17.13,20.02 17.13,18.02
  Top w0.5: U10.4 30.97,33.75 29.13,33.75 C20.1 28.5,34.02 28.5,48.78 v1(31.61,51.89) v1(32.07,52.35) v1(32.58,52.85) v1(33.06,53.34) v1(33.47,53.74) ; D9.1 v1(3.06,33.23) 3.63,33.23 C16.2 ; R8.2 58.22,36.7 C5.1 58.22,38.89 D3.2 ; v1(16.53,19.78) 16.42,19.88 15.81,19.88 ; C18.2 3.59,27.95 D7.1 ; v1(59.55,12.47) 57.22,12.47 55.77,11.02 C1.1 53.86,12.19 53.86,12.98 53,13.84 50.36,13.84 46.22,9.7 35.2,9.7 34,10.9 34,14.76 32.42,16.33 R32.1 ; v1(63.97,38.02) v1(63.97,30.5) 63.97,28.37 66.61,25.73 v1(66.61,25.68) ; v1(57.47,30.25) 57.47,29.6 R7.2 ; C7.1 15.81,19.88 ; 15.81,19.88 C6.1 ; v1(0.73,22.48) 0.73,22.47 U9.5 ; C19.2 3.59,25.32 D6.1 ; D3.2 59.23,44.43 C4.1 57.09,46.57 v1(57.09,50.67) v1(57.09,51.33) v1(57.09,51.94) v1(57.09,52.55) v1(57.09,53.21) 57.09,54.42 57.7,55.03 57.7,57.1 U18.5 ; D3.2 59.53,39.6 v1(61.03,39.6) ; D8.1 v1(3.17,30.55) 3.63,30.55 C17.2
  Top w1: v1(12,10.37) v1(12,13.42) 12,13.47 v1(10.81,14.66) ; v1(58.9,56.9) v1(58.9,56.2) 57.7,56.2
  Bottom w0.3: v1(2.66,41.68) 1.84,41.68 0.32,40.15 0.32,34.89 v1(0.34,34.87)
  Bottom w0.5: v1(33.47,53.74) 34.15,54.43 55.87,54.43 v1(57.09,53.21) v1(57.09,52.55) v1(57.09,51.94) v1(57.09,51.33) v1(57.09,50.67) ; v1(33.47,53.74) v1(33.06,53.34) v1(32.58,52.85) ; v1(33.47,53.74) v1(31.61,51.89) ; v1(61.03,39.6) 62.55,39.6 63.97,38.17 v1(63.97,38.02) ; v1(59.55,12.47) 60.48,12.47 U1.1 63.58,12.82 66.61,15.86 v1(66.61,25.68) ; v1(63.97,30.5) 63.95,30.48 57.7,30.48 v1(57.47,30.25)
  Bottom w1: v1(58.25,71.45) 58.9,70.8 v1(58.9,56.9) v1(58.9,56.2) v1(58.33,56.2)
  vias: v1(2.4,18.21) v1(3.06,27.95) v1(3.17,25.32) v1(3.78,24.25) v1(12,12.91) v1(12,12.4) v1(12,11.89) v1(12,11.38) v1(12,10.88) v1(16.53,19.28) v1(16.53,18.77) v1(16.53,18.26) v1(25.97,12.32) v1(25.97,11.81)
/CM4_GPIO/+3.3v_REF: length 2.6
  Top w0.11: 20.21,18.42 20.21,18.82 19.75,18.82 19.7,18.88 19.7,19.97 19.75,20.02 20.21,20.02
/CM4_HighSpeed/USB3/VBUS1: length 15.8
  Top w0.5: 52.05,58.54 C68.1 ; 52.05,58.54 FB3.1 ; 52.05,58.54 52.31,58.8 53.73,58.8
  Top w1: v1(62.7,58.6) C66.1 58,60.6 53.16,60.6 FB3.1
/Power/+3.3v_EXT: length 31.1
  Top w0.3: v1(57,77.2) 56.8,77 R53.1
  Top w1: L2.1 59.94,63.62 C73.1 65.93,66.07 J8.1 J8.2 64.58,68.34 C79.1
  Bottom w0.3: J8.2 64.6,69.94 64.6,74.6 62,77.2 v1(57,77.2)
/Power/+3.3v_RAW: length 24.3
  Top w0.3: U12.5 22.78,9.77 23.03,9.51 C23.1
  Top w1: J7.3 12.36,4.95 16.01,1.3 20.7,1.3 24.23,4.83 24.23,8.32 D10.2 24.37,9.01 23.03,9.01
/Power/+5v_RAW: length 36.4
  Top w0.3: C22.1 27.25,14.85 26.48,14.08 U11.5 26.48,11.68 27.86,10.3 R20.1
  Top w1: R20.1 28.08,10.26 D10.1 ; D10.1 27.33,9.52 27.33,10.83 ; D10.1 26.92,8.74 v1(27.19,8.46)
  Bottom w1: v1(27.19,8.46) v1(27.19,7.77) 27.19,7.64 v1(26.79,7.24) 26.13,7.24 20.26,1.37 10.86,1.37 7.28,4.95 J7.2
/USB2/VBUS: length 13.7
  Top w0.3: 63.21,35.18 62.74,34.71 61.28,34.71 J3.A9 ; 63.21,35.18 63.21,31.51 61.79,30.1 J3.A4 ; 63.21,35.18 63.23,35.2 D3.1
GND: length 75.9
  Top w0.11: v1(51.88,17.19) 51.85,17.22 50.29,17.22 v1(50.26,17.19) ; v1(53.27,33.98) 53.3,34.01 54.87,34.01 v1(54.9,33.98) ; v1(20.84,31.21) 20.84,31.22 20.21,31.22 ; v1(54.95,31.59) 54.92,31.62 53.35,31.62 v1(53.32,31.59) ; v1(50.27,27.98) 50.3,28.01 51.87,28.01 v1(51.9,27.98) ; U7.3 U7.2 27.26,25.67 27.52,25.93 v1(27.91,25.93) ; 17.13,32.82 16.85,32.82 v1(16.42,33.25) ; v1(50.27,19.6) 50.3,19.63 51.87,19.63 v1(51.9,19.6) ; v1(55.18,20.95) 55.08,20.85 53.4,20.85 v1(53.37,20.82) ; v1(20.84,23.64) 20.82,23.62 20.21,23.62 ; v1(51.9,18.38) 51.87,18.41 50.3,18.41 v1(50.27,18.38) ; v1(51.9,20.77) 51.87,20.8 50.3,20.8 v1(50.27,20.77) ; v1(50.27,32.81) 50.3,32.84 51.87,32.84 v1(51.9,32.81) ; 20.21,27.22 20.87,27.22 v1(20.89,27.2) ; 17.13,23.62 16.76,23.62 v1(16.37,23.24) ; v1(53.32,24.38) 53.35,24.41 54.92,24.41 v1(54.95,24.38) ; v1(16.37,24.81) 16.38,24.82 17.13,24.82 ; 20.21,34.02 20.83,34.02 v1(20.84,34.01) ; v1(51.8,33.58) 51.37,34.01 50.3,34.01 v1(50.27,33.98) ; v1(16.28,28.79) 16.31,28.82 17.59,28.82 17.75,28.98 17.75,30.67 17.59,30.82 17.13,30.82 ; v1(54.93,22.32) 54.63,22.02 53.4,22.02 v1(53.37,21.99) ; v1(50.27,23.21) 50.3,23.24 51.87,23.24 v1(51.9,23.21) ; 17.13,34.02 16.44,34.02 v1(16.42,34.01) ; v1(53.32,25.6) 53.35,25.63 54.92,25.63 v1(54.95,25.6) ; v1(51.9,30.37) 51.87,30.4 50.3,30.4 v1(50.27,30.37) ; v1(16.58,35.28) 16.63,35.22 17.13,35.22 ; v1(54.9,32.81) 54.87,32.84 53.3,32.84 v1(53.27,32.81) ; v1(54.95,23.21) 54.92,23.24 53.35,23.24 v1(53.32,23.21) ; v1(51.9,24.38) 51.87,24.41 50.3,24.41 v1(50.27,24.38) ; 20.21,25.22 20.7,25.22 v1(21.04,25.57) ; v1(17.85,22.32) 17.8,22.37 17.65,22.37 ; v1(53.32,27.98) 53.35,28.01 54.92,28.01 v1(54.95,27.98) ; v1(20.89,22.42) 20.89,22.42 20.21,22.42 ; 17.13,26.82 16.45,26.82 v1(16.37,26.9) ; v1(20.84,32.84) 20.83,32.82 20.21,32.82 ; v1(51.9,31.59) 51.87,31.62 50.3,31.62 v1(50.27,31.59) ; C6.2 17.1,21.25 17.13,21.22 17.59,21.22 17.65,21.28 17.65,22.37 ; 17.65,22.37 17.59,22.42 17.13,22.42 ; v1(50.27,15.99) 50.3,16.02 51.87,16.02 v1(51.9,15.99) ; v1(51.9,29.2) 51.87,29.23 50.3,29.23 v1(50.27,29.2) ; v1(55.39,18.26) 55.24,18.41 53.4,18.41 v1(53.37,18.38) ; v1(54.93,19.53) 54.83,19.63 53.4,19.63 v1(53.37,19.6) ; v1(19.57,16.02) 19.58,16.02 20.21,16.02 ; v1(54.88,17.14) 54.78,17.24 53.35,17.24 v1(53.32,17.21) ; v1(54.95,15.99) 54.92,16.02 53.35,16.02 v1(53.32,15.99) ; v1(54.95,30.37) 54.92,30.4 53.48,30.4 v1(53.3,30.58) ; v1(51.9,21.99) 51.87,22.02 50.3,22.02 v1(50.27,21.99) ; v1(53.32,26.76) 53.35,26.79 54.92,26.79 v1(54.95,26.76) ; v1(53.32,29.2) 53.35,29.23 54.54,29.23 v1(54.84,28.93) ; 20.21,29.22 20.83,29.22 v1(20.84,29.23) ; v1(20.89,35.23) 20.89,35.22 20.21,35.22 ; v1(21.1,20.19) 21.1,20.4 20.67,20.82 20.21,20.82
  Top w0.5: J5.4 J6.4
  vias: v1(0.5,29.9) v1(0.5,27.3) v1(0.68,65.27) v1(0.7,32.5) v1(0.78,67.84) v1(0.92,70.65) v1(1.02,10.47) v1(1.1,35.3) v1(1.35,17.32) v1(1.95,76.51) v1(2.7,73.41) v1(3.72,8.2) v1(4,51.3) v1(4,46.2) v1(4.1,48.4) v1(4.35,54.87) v1(4.38,60.15) v1(4.38,57.71) v1(4.47,62.57) v1(5.22,3.97) v1(5.7,32.5) v1(7.1,67.47) v1(7.52,70.22) v1(8.62,16.7) v1(9.77,7.27) v1(9.99,4.33) v1(10.42,74.45) v1(12.41,76.83) v1(13.08,14.87) v1(15.05,4.17) v1(16.34,74.56) v1(17.9,54.27) v1(17.9,10.8) v1(18.97,66.9) v1(19.08,61.62) v1(19.95,7.77) v1(21.05,60.2) v1(21.1,7.2) v1(22.06,54.48) v1(22.32,7.95) v1(22.62,28.52) v1(22.97,66.81) v1(23.2,13.1) v1(23.32,63.52) v1(23.33,25.42) v1(24.1,49.65) v1(25.23,60.58) v1(25.57,54.63) v1(25.85,45.57) v1(26.65,64.07) v1(27.04,24.61) v1(27.61,67.03) v1(27.83,40.67) v1(29.43,54.53) v1(29.53,27.1) v1(30.12,66.91) v1(30.17,61) v1(31.62,45.92) v1(31.6,15.4) v1(32.02,50.27) v1(32,20.25) v1(32.45,64.67) v1(34.75,52.9) v1(35,7.92) v1(36.7,56.15) v1(36.72,11.77) v1(37,14.55) v1(37.83,59.75) v1(38.5,26.07) v1(38.65,18.35) v1(40.15,61.54) v1(40.3,27.37) v1(42.38,31.26) v1(42.37,7.86) v1(43.25,46.32) v1(43.27,59.9) v1(43.42,62.3) v1(43.77,56.27) v1(44.52,60.95) v1(44.65,48.5) v1(44.65,13.05) v1(45.97,45.6) v1(46.65,62.7) v1(49.15,62.67) v1(49.22,5.62) v1(49.55,56.67) v1(49.67,53.2) v1(50.47,0.82) v1(51.98,41.12) v1(52.14,47.88) v1(53.61,10.79) v1(53.86,13.99) v1(54.05,44.25) v1(54.47,7.2) v1(54.67,50.17) v1(55.44,14.4) v1(55.55,65.17) v1(56,12.57) v1(56.27,61.6) v1(56.65,43.55) v1(57.22,72.55) v1(57.35,70.32) v1(58.02,65.4) v1(58.18,48.59) v1(60.02,52.57) v1(60.5,3.4) v1(60.6,46.9) v1(61.38,23.09) v1(61.67,61.17) v1(62.15,17.52) v1(62.4,0.77) v1(62.85,26.82) v1(63.52,77.4) v1(63.56,4.34) v1(64.02,20.7) v1(65.04,32.55) v1(65.35,77.27) v1(66.18,12.47) v1(67.05,61.87)
